# Altium PCB PCB1.PcbDoc (continued)
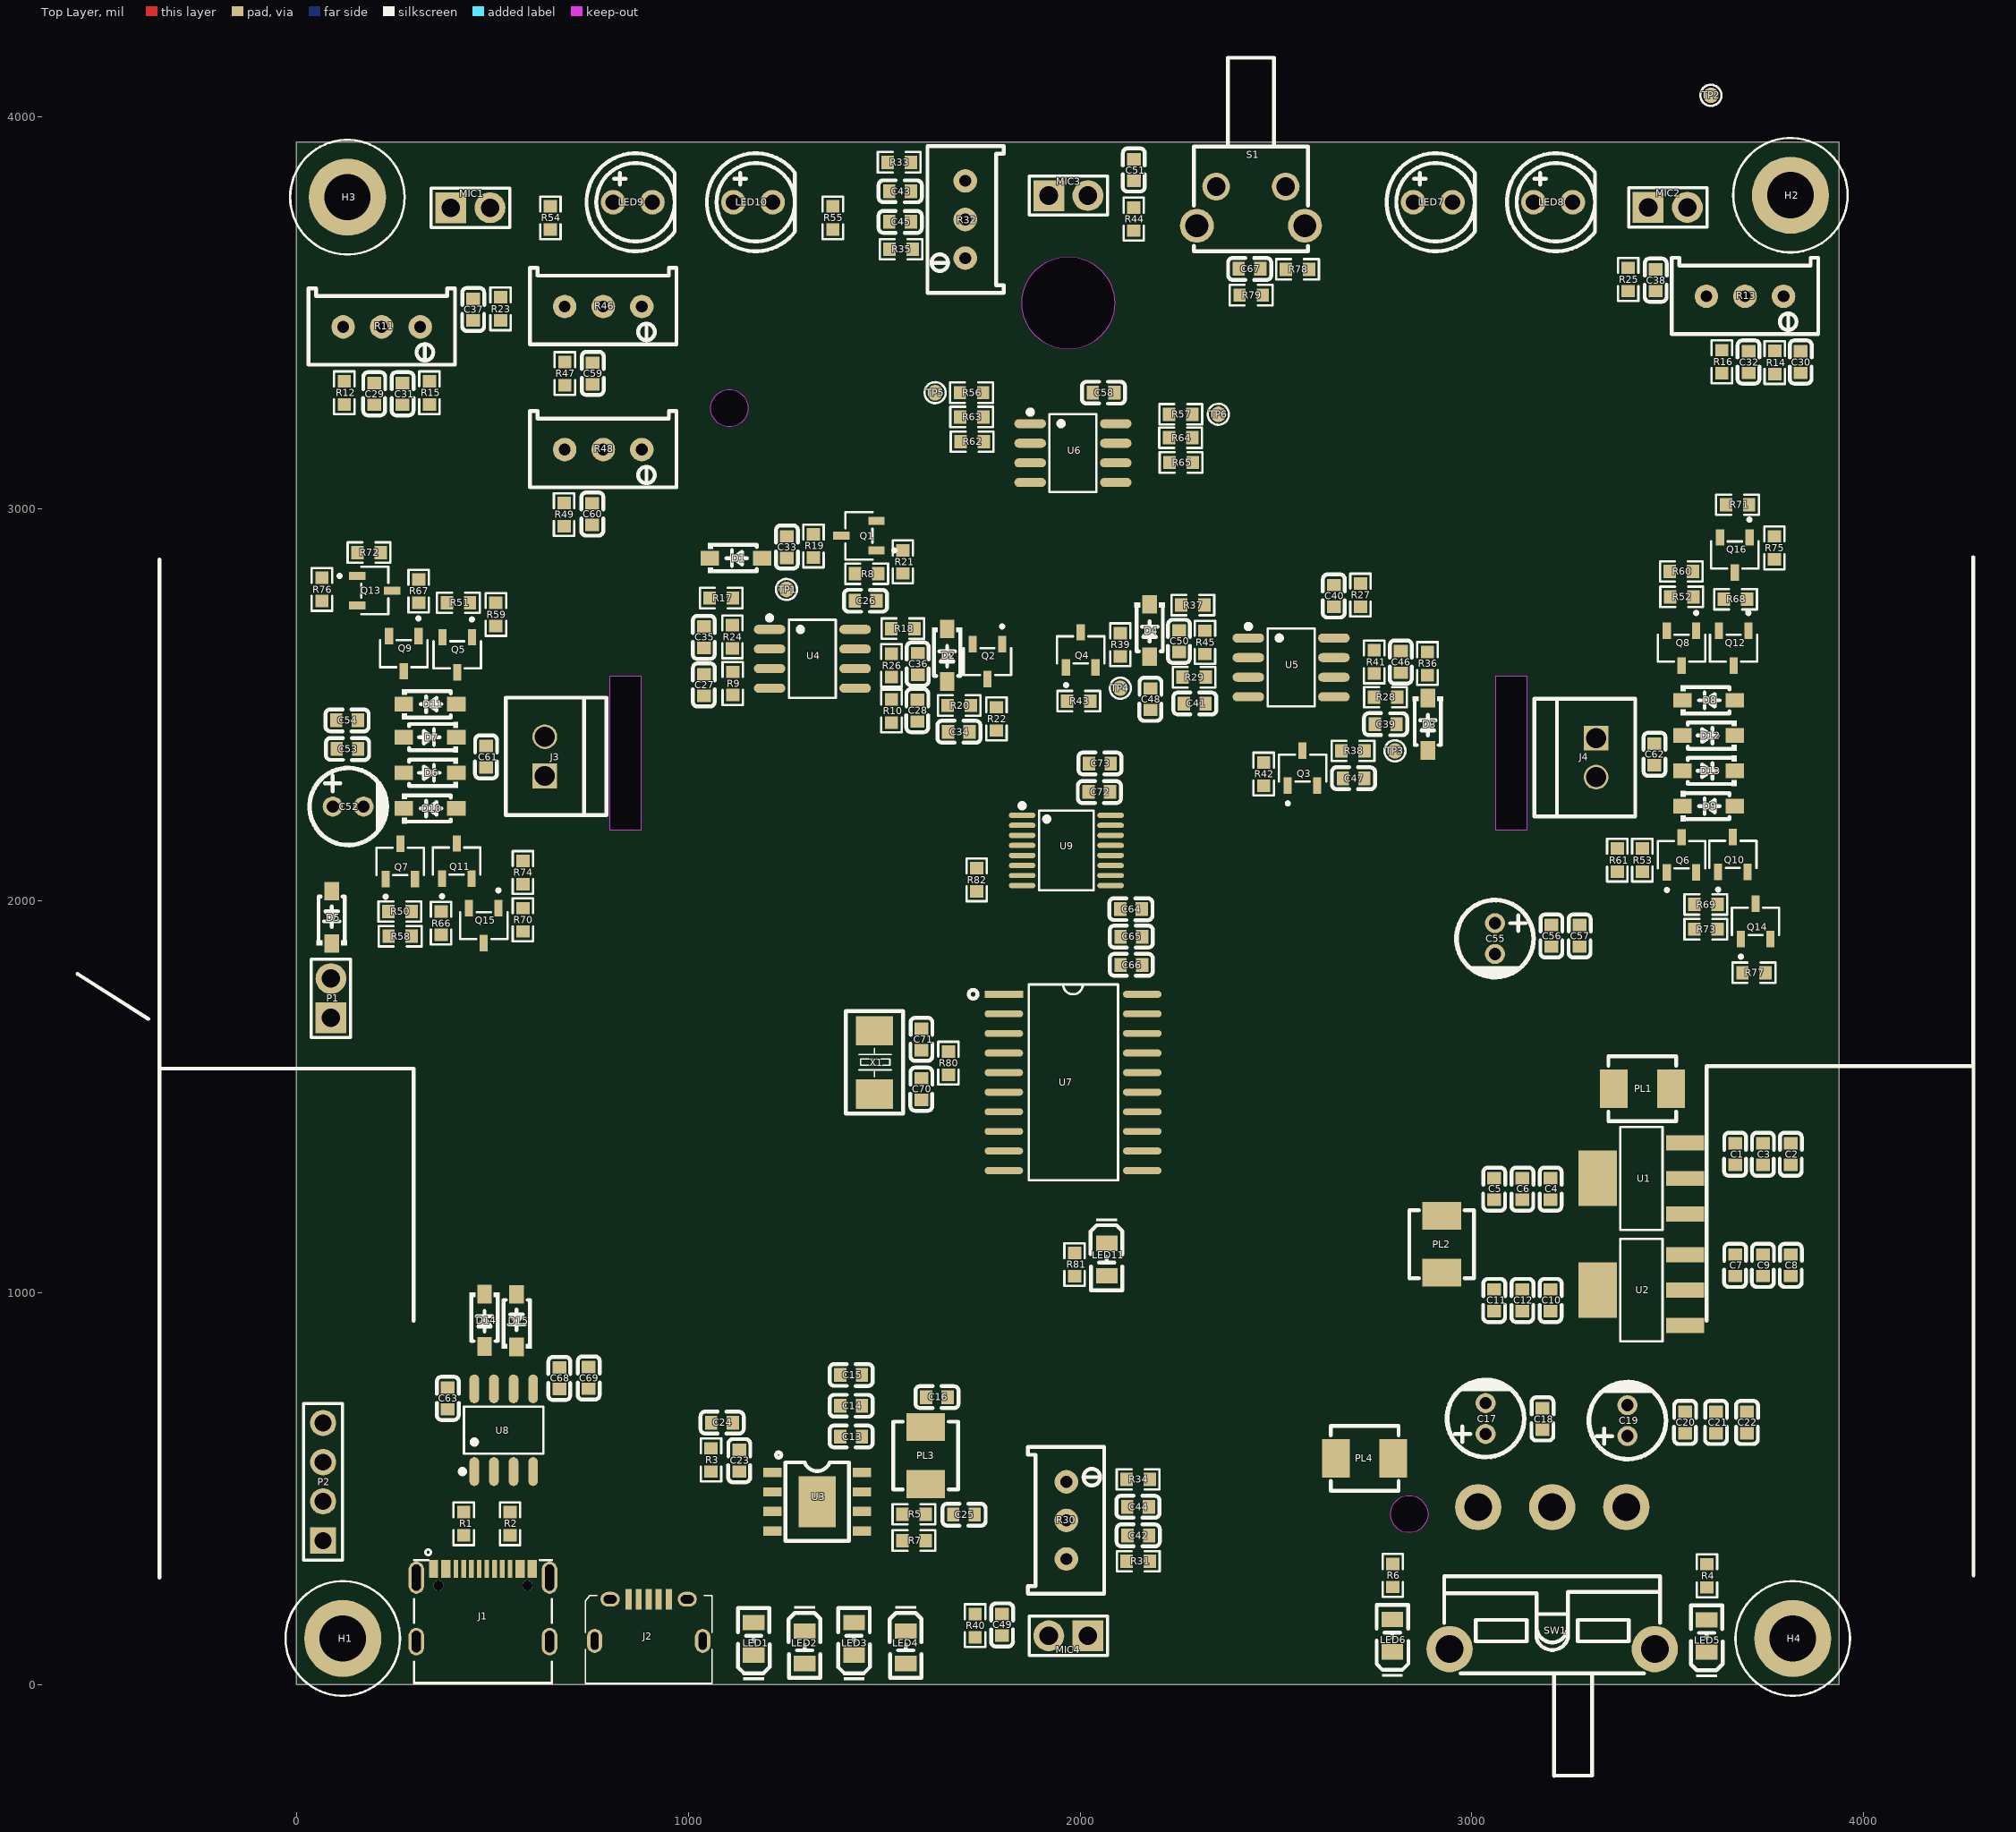
[diagram p0: Top Layer view]
## Components (designator, comment, footprint, x,y, rotation, side; value= is the part's Value field where it differs from the comment) (continued)
R2 "5.1K" RES-SMD-0603 545,410.66 r90 top
R3 "2R" RES-SMD-0603 1058,573.66 r270 top
R4 "1K" RES-SMD-0603 3600,278 r90 top
R5 "0.5R" RES-SMD-0603 1576,435 r180 top
R6 "1K" RES-SMD-0603 2798,279 r90 top
R7 "0805_0R_NC" RES-SMD-0603 1576,368 r180 top
R8 "10R" RES-SMD-0603 1455.6,2834.98 r0 top
R9 "100K" RES-SMD-0603 1113.6,2554.98 r270 top
R10 "100K" RES-SMD-0603 1518.6,2484.98 r270 top
R11 "100K" RES-TH-ADJ-3396W 217.6,3465 r270 top
R12 "10K" RES-SMD-0603 122,3296.8 r270 top
R13 "100K" RES-TH-ADJ-3396W 3697,3543 r270 top
R14 "10K" RES-SMD-0603 3773,3374 r270 top
R15 "1K" RES-SMD-0603 339.23,3296.8 r90 top
R16 "1K" RES-SMD-0603 3638,3376 r90 top
R17 "100R" RES-SMD-0603 1083.94,2772.98 r180 top
R18 "100R" RES-SMD-0603 1547.6,2694.98 r0 top
R19 "100R" RES-SMD-0603 1319.6,2905.63 r270 top
R20 "100R" RES-SMD-0603 1691.6,2498.98 r180 top
R21 "10K" RES-SMD-0603 1547.6,2865.32 r90 top
R22 "10K" RES-SMD-0603 1786.6,2464.63 r90 top
R23 "1K" RES-SMD-0603 521,3511 r90 top
R24 "100K" RES-SMD-0603 1112.6,2673.98 r90 top
R25 "1K" RES-SMD-0603 3399,3586 r90 top
R26 "100K" RES-SMD-0603 1518.6,2600.98 r90 top
R27 "10R" RES-SMD-0603 2715.6,2780.63 r90 top
R28 "100K" RES-SMD-0603 2779.6,2519.98 r0 top
R29 "100K" RES-SMD-0603 2290.94,2570.98 r180 top
R30 "100K" RES-TH-ADJ-3396W 1965,419.4 r0 top
R31 "10K" RES-SMD-0603 2148.65,315 r0 top
R32 "100K" RES-TH-ADJ-3396W 1707,3739 r180 top
R33 "10K" RES-SMD-0603 1538.36,3885 r180 top
R34 "1K" RES-SMD-0603 2148,524 r180 top
R35 "1K" RES-SMD-0603 1543,3663 r0 top
R36 "100R" RES-SMD-0603 2886.6,2605.98 r270 top
R37 "100R" RES-SMD-0603 2287.94,2754.98 r180 top
R38 "100R" RES-SMD-0603 2696.6,2382.98 r0 top
R39 "100R" RES-SMD-0603 2102.6,2653.98 r270 top
R40 "1K" RES-SMD-0603 1732,151 r270 top
R41 "100K" RES-SMD-0603 2750.6,2609.98 r90 top
R42 "10K" RES-SMD-0603 2468.6,2323.98 r270 top
R43 "10K" RES-SMD-0603 1996.6,2509.98 r180 top
R44 "1K" RES-SMD-0603 2137,3740 r270 top
R45 "100K" RES-SMD-0603 2318.6,2659.98 r90 top
R46 "10K" RES-TH-ADJ-3396W 783,3517 r270 top
R47 "1K" RES-SMD-0603 685,3346 r270 top
R48 "10K" RES-TH-ADJ-3396W 783,3152 r270 top
R49 "1K" RES-SMD-0603 683,2986 r270 top
R50 "10k" RES-SMD-0603 264,1973 r0 top
R51 "10k" RES-SMD-0603 413.35,2761 r180 top
R52 "10k" RES-SMD-0603 3535.35,2776 r180 top
R53 "10k" RES-SMD-0603 3435,2104 r90 top
R54 "1K" RES-SMD-0603 648,3743 r270 top
R55 "1K" RES-SMD-0603 1369,3743 r270 top
R56 "10R" RES-SMD-0603 1723,3297 r0 top
R57 "10R" RES-SMD-0603 2257,3242 r180 top
R58 "3.3K" RES-SMD-0603 264.65,1910 r180 top
R59 "3.3K" RES-SMD-0603 509,2731 r270 top
R60 "3.3K" RES-SMD-0603 3534.65,2841 r0 top
R61 "3.3K" RES-SMD-0603 3371,2104 r90 top
R62 "10K" RES-SMD-0603 1724.35,3172 r0 top
R63 "10K" RES-SMD-0603 1723.35,3235 r0 top
R64 "10K" RES-SMD-0603 2256.65,3182 r180 top
R65 "10K" RES-SMD-0603 2257.65,3119 r180 top
R66 "10k" RES-SMD-0603 369,1943.34 r90 top
R67 "10k" RES-SMD-0603 312,2790.66 r90 top
R68 "10k" RES-SMD-0603 3673,2770 r180 top
R69 "10k" RES-SMD-0603 3597,1991 r180 top
R70 "3.3K" RES-SMD-0603 578,1952 r270 top
R71 "3.3K" RES-SMD-0603 3678,3011 r180 top
R72 "3.3K" RES-SMD-0603 185,2889 r0 top
R73 "3.3K" RES-SMD-0603 3597,1928 r180 top
R74 "10k" RES-SMD-0603 578,2072.66 r270 top
R75 "10k" RES-SMD-0603 3772,2901 r90 top
R76 "10k" RES-SMD-0603 65,2795 r90 top
R77 "10k" RES-SMD-0603 3720,1817 r180 top
R78 "10R" RES-SMD-0603 2555,3612 r0 top
R79 "10K" RES-SMD-0603 2436.65,3546 r0 top
R80 "1K" RES-SMD-0603 1664,1586.34 r90 top
R81 "1K" RES-SMD-0603 1986,1072 r270 top
R82 "0805_0R_NC" RES-SMD-0603 1736,2054 r90 top
S1 "KEY-B-2P" KEY-TH-B-2P 2436,3773 r180 top
SW1 "SS-12D11G5" SW-TH-D-P4.8 3205,272 r0 top
TP1 "TP" TP 1250.6,2794.98 r90 top
TP2 "TP" TP 3609.87,4055.87 r90 top
TP3 "TP" TP 2803.6,2382.98 r90 top
TP4 "TP" TP 2102.6,2542.98 r90 top
TP5 "TP" TP 1630,3297 r90 top
TP6 "TP" TP 2353,3242 r90 top
U1 "AMS1117-1.2" SOT-223-4-LP5.7-P2.3 3432.6,1292 r0 top
U2 "AMS1117-3.3" SOT-223-4-LP5.7-P2.3 3432.6,1007 r0 top
U3 "IP5306" ESOP-8-LP5.3-P1.27 1329,467 r270 top
U4 "LMV358" SOIC-8-LP5.5-P1.27 1316.6,2617.98 r270 top
U5 "LMV358" SOIC-8-LP5.5-P1.27 2538.6,2595.98 r270 top
U6 "LMV358" SOIC-8-LP5.5-P1.27 1981.8,3143 r270 top
U7 "STC12C5204AD-35I-SOP20" SOP-20 1982,1537 r270 top
U8 "CH340N" SOP-8-LP5.3-P1.27 529,649.6 r0 top
U9 "74HC4051PW,118" TSSOP-16-LP5.7-P0.65 1965,2129 r270 top
X1 "11.0592M" OSC-5032-SMD-2P 1475,1588 r90 top

## Footprints (in the part's own frame and the unit in brackets; to place one, negate y for a bottom-side part, rotate by r counter-clockwise, add the part's x,y. Pads: shape width x height; smd on the part's side, far side on the other; paste and mask are expansions set on the pad)
BAT-SMD-18650 [mil] "BATTERY-SMD_18650-1S-L77.1-W20.7-1"
  rect 300x200 smd mask+2: 1(0,1626.5) 2(0,-1626.5)
  Keep-Out Layer board cut-out: 362.2,1411.02 362.2,1417.24 358.98,1429.26 352.76,1440.03 343.97,1448.82 333.2,1455.04 321.18,1458.26 308.74,1458.26 296.72,1455.04 285.95,1448.82 277.16,1440.03 270.94,1429.26 267.72,1417.24 267.72,1411.02 267.72,1404.8 270.94,1392.78 277.16,1382.01 285.95,1373.22 296.72,1367 308.74,1363.78 321.18,1363.78 333.2,1367 343.97,1373.22 352.76,1382.01 358.98,1392.78 362.2,1404.8 362.2,1411.02
  silkscreen extent -408,-1518 408,1518, body extent -401,-1702 412,1686, height 724
CAP-SMD-0603 [mm] "贴片电容0603"
  rect 0.8x0.9 smd: 1(-0.7,0) 2(0.7,0)
  silkscreen extent -1.41,-0.71 1.39,0.72, body extent -0.8,-0.4 0.8,0.4, height 0.8
CAPA-TH-5020-P2.0 [mm] "插件电解电容CAP-TH_BD5.0-P2.00-D0.8-FD"
  round 1.3 hole 0.8: 1(-1,0) 2(1,0)
  silkscreen extent -2.5,-2.5 2.5,2.5, body extent -2.5,-2.5 2.5,2.5, height 5
CONN-TH-1X2P-P2.54 [mil] "HDR-TH_2P-P2.54-V-M"
  rect 78.7x78.7 hole 47.2 mask+2: 1(-50,0)
  round 78.7 hole 47.2 mask+2: 2(50,0)
  silkscreen extent -100,-50 100,50, body extent -100,-50 100,50, height 335
CONN-TH-1X2P-P2.54_2 [mil]
  rect 78.7x78.7 hole 47.2 mask+2: 1(-51,-36)
  round 78.7 hole 47.2 mask+2: 2(49,-36)
  silkscreen extent -101,-86 99,14, body extent -118,-118 118,118, height 113
CONN-TH-1X4P-P2.54 [mil] "HDR-TH_4P-P2.54-V-M-1"
  rect 66.9x66.9 hole 43.3 mask+2: 1(-150,0)
  round 66.9 hole 43.3 mask+2: 2(-50,0) 3(50,0) 4(150,0)
  silkscreen extent -200,-50 200,50, body extent -200,-50 200,50, height 336
CONN-TH-CDS-1X2P-P2.54 [mil] "CONN-TH_2P-P2.54_CDS-2P"
  rect 63x63 hole 51.2 mask+2: 1(-50,0)
  round 63 hole 51.2 mask+2: 2(50,0)
  silkscreen extent -150,-158 150,100, body extent -150,-165 150,110, height 470
ESOP-8-LP5.3-P1.27 [mm] "ESOP-8_L4.9-W3.9-P1.27-LS6.0-BL-EP"
  rect 0.6x1.2 smd mask+0.051: 1(-1.905,-2.908) 2(-0.635,-2.908) 3(0.635,-2.908) 4(1.905,-2.908) 5(1.905,2.908) 6(0.635,2.908) 7(-0.635,2.908) 8(-1.905,2.908)
  rect 3.3x2.4 smd mask+0.051: 9(0,0)
  silkscreen extent -3.2,-2.67 2.55,2.05, body extent -2.45,-3.05 2.45,3.05, height 1.68
KEY-TH-B-2P [mil] "KEY-TH_PTS645VXX83XLFS"
  round 70.9 hole 47.2 mask+2: 1(-88.6,-50) 2(88.6,-50)
  round 86.6 hole 59.1 mask+2: 3(-137.8,50) 4(137.8,50)
  silkscreen extent -146,-379 146,115, body extent -165,-373 165,113, height 290
LED-SMD-0805 [mm] "贴片LED灯0805"
  rect 1x1.4 smd: 1(1.05,0) 2(-1.05,0)
  silkscreen extent -2.66,-1.04 1.99,1.01, body extent -1,-0.63 1,0.63, height 1.1
LED-TH-D5.0-P2.54 [mm] "插件LED灯D5.0-LED-TH_BD5.0-P2.54-FD"
  round 1.6 hole 1: 1(-1.27,0) 2(1.27,0)
  silkscreen extent -2.99,-3.17 2.72,3.17, body extent -2.5,-2.9 2.9,2.9, height 11.6
M3-5030-0.3 [mm]
  round 5 hole 3: 1(0,0)
  silkscreen extent -3.71,-3.71 3.71,3.71
MICROUSB-SMD-5P [mm] "MICRO-USB-5pin"
  rect 0.399x1.351 smd mask+0.051: 1(-1.3,1.35) 2(-0.65,1.35) 3(0,1.35) 4(0.65,1.35) 5(1.3,1.35)
  oval 1.001x1.549 hole 0.5 slot 1.151 at 90 deg mask+0.051: 6(-3.5,-1.35) 6(3.5,-1.35)
  oval 1.25x0.95 hole 0.551 slot 0.851 at 0 deg mask+0.051: 6(-2.499,1.35) 6(2.499,1.35)
  silkscreen extent -4.1,-4.1 4.1,1.6, body extent -4,-3.89 4,1.64, height 2.73
OSC-5032-SMD-2P [mm] "OSC-SMD_L5.0-W3.2"
  rect 1.9x2.4 smd mask+0.051: 1(-2.05,0) 2(2.05,0)
  silkscreen extent -3.32,-1.85 3.33,1.85, body extent -2.5,-1.6 2.5,1.6, height 1.42
PL-SMD_4.4X4.2-P3.7 [mil] "IND-SMD_L4.4-W4.2_YXMAA0412"
  rect 70.9x98.4 smd mask+2: 1(-72.8,0) 2(72.8,0)
  silkscreen extent -87,-83 87,83, body extent -87,-83 87,83, height 48
RES-SMD-0603 [mil] "贴片电阻0603"
  rect 31.75x34.02 smd: 1(-29.65,0) 2(29.66,0)
  silkscreen extent -55,-26 55,26, body extent -31,-16 31,16, height 31
RES-TH-ADJ-3396W [mil] "RES-ADJ-TH_3P-L10.0-W10.0-P2.50-BL-BS"
  round 60 hole 30 mask+2: 1(0,98.4) 2(0,0) 3(0,-98.4)
  silkscreen extent -98,-187 97,187, body extent -94,-187 96,187, height 454
SOD-123-P3.4 [mil] "SOD-123_L2.7-W1.6-LS3.7-RD-1"
  rect 47.2x37.4 smd mask+2: 1(-66.9,0) 2(66.9,0)
  silkscreen extent -71,-38 53,38, body extent -73,-31 73,31, height 47
SOIC-8-LP5.5-P1.27 [mil] "SOIC-8_L4.9-W3.9-P1.27-LS6.0-BL"
  oval 23.2x80.5 smd mask+2: 1(-75,-109.1) 2(-25,-109.1) 3(25,-109.1) 4(75,-109.1) 5(75,109.2) 6(25,109.2) 7(-25,109.2) 8(-75,109.2)
  silkscreen extent -110,-115 100,60, body extent -95,-118 95,118, height 67
SOP-8-LP5.3-P1.27 [mil] "SOP-8_L4.9-W3.9-P1.27-LS6.0-BL"
  oval 24.8x73.4 smd mask+2: 1(-75,-105.6) 2(-25,-105.6) 3(25,-105.6) 4(75,-105.6) 5(75,105.6) 6(25,105.6) 7(-25,105.6) 8(-75,105.6)
  silkscreen extent -111,-111 101,60, body extent -96,-118 96,118, height 58
SOP-20 [mm]
  rect 0.456x2.5 smd: 1(-5.715,-4.487)
  oval 0.456x2.5 smd: 2(-4.445,-4.487) 3(-3.175,-4.487) 4(-1.905,-4.487) 5(-0.635,-4.487) 6(0.635,-4.487) 7(1.905,-4.487) 8(3.175,-4.487) 9(4.445,-4.487) 10(5.715,-4.487) 11(5.715,4.488) 12(4.445,4.488) 13(3.175,4.488) 14(1.905,4.488) 15(0.635,4.488) 16(-0.635,4.488) 17(-1.905,4.488) 18(-3.175,4.488) 19(-4.445,4.488) 20(-5.715,4.488)
  silkscreen extent -6.35,-6.76 6.35,2.92
SOT-23-3-LP2.28-P1.91 [mm] "SOT-23-3_L2.9-W1.4-P1.91-LS2.6-BR"
  rect 1.07x0.532 smd: 1(1.135,-0.955) 2(1.135,0.955) 3(-1.135,0)
  silkscreen extent -0.88,-1.54 2.39,1.54, body extent -1.4,-1.54 1.4,1.54, height 1.11
SOT-223-4-LP5.7-P2.3 [mil] "SOT-223-4_L6.5-W3.5-P2.30-LS7.0-BR"
  rect 97.2x38.6 smd mask+2: 1(111.6,-90.5) 2(111.6,0) 3(111.6,90.6)
  rect 97.2x141.7 smd mask+2: 4(-111.6,0)
  silkscreen extent -54,-131 54,131, body extent -138,-128 138,128, height 67
SW-TH-D-P4.8 [mil] "SW-TH_SS-12D11G5"
  round 118.1 hole 70.9 mask+2: 1(189,181.1) 2(0,181.1) 3(-189,181.1) 4(-261.8,-181.1) 5(261.8,-181.1)
  silkscreen extent -276,-504 276,5, body extent -266,-440 266,208, height 260
TP [mil] "TP测试点"
  round 40 smd: 1(0,0)
  silkscreen extent -27,-27 27,27
TSSOP-16-LP5.7-P0.65 [mil] "TSSOP-16_L5.0-W4.4-P0.65-LS6.4-BL"
  oval 13.5x68.2 smd mask+2: 1(-89.6,-112.8) 2(-64,-112.8) 3(-38.4,-112.8) 4(-12.8,-112.8) 5(12.8,-112.8) 6(38.4,-112.8) 7(64,-112.8) 8(89.6,-112.8) 9(89.6,112.8) 10(64,112.8) 11(38.4,112.8) 12(12.8,112.8) 13(-12.8,112.8) 14(-38.4,112.8) 15(-64,112.8) 16(-89.6,112.8)
  silkscreen extent -120,-119 101,70, body extent -98,-130 98,122, height 40
TYPE-C-SMD-16P [mm]
  oval 1x2.1 hole 0.6 slot 1.7 at 90 deg: 17(-4.32,1.787) 18(4.32,1.787)
  oval 1x1.8 hole 0.6 slot 1.4 at 90 deg: 19(4.32,-2.362) 20(-4.32,-2.362)
  round 0.65 hole 0.65 unplated: 21(2.89,1.288) 22(-2.89,1.288)
  rect 0.3x1.15 smd: A1(-3.35,2.362) A4(-2.55,2.362) A5(-1.25,2.362) A6(-0.25,2.362) A7(0.25,2.362) A8(1.25,2.362) A9(2.55,2.362) A12(3.35,2.362) B1(3.05,2.362) B4(2.25,2.362) B5(1.75,2.362) B6(0.75,2.362) B7(-0.75,2.362) B8(-1.75,2.362) B9(-2.25,2.362) B12(-3.05,2.362)
  silkscreen extent -4.47,-5.04 4.47,3.61

## Part data
BT1 BT2: library part CR2032, "纽扣电池CR2032-BS-6-1", JLCPCB Part Class="Extended Part", LCSC Part Name="电池底座 适用电池:CR2032", MANUFACTURER=Q&J, Manufacturer Part=CR2032-BS-6-1, Operating Temperature Range=-, Add into BOM=yes, Battery Type=CR2032, Connector Type=电池底座, Convert to PCB=yes, DATASHEET=https://atta.szlcsc.com/upload/public/pdf/source/20160427/1461725216549.pdf, Device=CR2032-BS-6-1, Supplier=LCSC, Supplier Footprint=SMD, Supplier Part=C70377, Symbol=CR2032-BS-6-1
C1 C2 C3 C4 C5 C6 C7 C8 C9 C10 C11 C12 C13 C14 C15 C16 C18 C20 C21 C22 C23 C24 C25 C26 C27 C28 C29 C30 C31 C32 C33 C34 C35 C36 C37 C38 C39 C40 C41 C42 C43 C44 C45 C46 C47 C48 C49 C50 C51 C53 C54 C56 C57 C58 C59 C60 C61 C62 C63 C64 C65 C66 C67 C68 C69 C70 C71 C72 C73: library part CAP, "贴片电容", BOM_JLCPCB Part Class="Extended Part", BOM_Manufacturer=SAMSUNG, BOM_Manufacturer Part=CL03A104KQ3NNNC, BOM_Supplier=LCSC, BOM_Supplier Part=C160831, Contributor=LCSC, nameAlias=Capacitance, spicePre=C, spiceSymbolName=CL03A104KQ3NNNC
C17 C19 C52 C55: library part CAPA, "电解电容", BOM_JLCPCB Part Class="Extended Part", BOM_Manufacturer=ValuePro, BOM_Manufacturer Part="普通黑色470UF 50V", BOM_Supplier=LCSC, BOM_Supplier Part=C34642, nameAlias=Capacitance, spicePre=C, spiceSymbolName="470UF 50V"
D1 D2 D3 D4 D5 D6 D7 D8 D9 D10 D11 D12 D13 D14 D15: library part Diode, "二极管1N4148W", Average Rectified Current (Io)=150mA, Forward Voltage (Vf@If)=1.25V@150mA, JLCPCB Part Class="Extended Part", LCSC Part Name="100V 150mA 4ns", MANUFACTURER=PSI(宝力芯), Manufacturer Part=1N4148W, Operating Temperature=+150@(Tj), Power Dissipation=350mW, Reverse Leakage Current=1A@75V, Reverse Voltage (Vr)=100V, Add into BOM=yes, Convert to PCB=yes, DATASHEET=https://atta.szlcsc.com/upload/public/pdf/source/20210709/C2840890_3AF002B6505A4091F26B54E36362ABEF.pdf, Device=1N4148W, Diode Configuration=-, Reverse Recovery Time (trr)=4ns, Supplier=LCSC, Supplier Footprint=SOD-123, Supplier Part=C2840890, Symbol=1N4148W_C2840890
H1 H2 H3 H4: "M3螺丝孔"
J1: "TYPE-C-16pin", Current Rating - Power (Max)=3A, JLCPCB Part Class="Extended Part", LCSC Part Name="Type-C 母座 卧贴", MANUFACTURER=kinghelm(金航标), Manufacturer Part=KH-TYPE-C-16P, Operating Temperature Range=-40~+85, Add into BOM=yes, Connector Type=Type-C, Convert to PCB=yes, DATASHEET=https://atta.szlcsc.com/upload/public/pdf/source/20200911/C709357_AA8DCEB38BB20E3035A7ED7AE7667837.pdf, Device=KH-TYPE-C-16P, Gender=母座, Mounting Style=卧贴, Number of Contacts=16, Number of Ports=1, Standard=-, Supplier=LCSC, Supplier Footprint=SMD, Supplier Part=C709357, Symbol=KH-TYPE-C-16P
J2: library part Microusb-5P, "安卓阶梯型USB接口", JLCPCB Part Class="Extended Part", LCSC Part Name="Micro-B 母座", MANUFACTURER=Amphenol, Manufacturer Part=10118194-0001LF, Add into BOM=yes, Connector Type=Micro-B, Convert to PCB=yes, DATASHEET=https://atta.szlcsc.com/upload/public/pdf/source/20210630/C132563_323781699BE9D7BFAD8DF70EA5820798.pdf, Device=10118194-0001LF, Gender=母座, Number of Contacts=5, Number of Ports=1, Standard="USB 2.0", Supplier=LCSC, Supplier Footprint=SMD, Supplier Part=C132563, Symbol=10118194-0001LF
J3 J4: "连接插座2pin", Color=蓝色, Current Rating (Max)=17A, JLCPCB Part Class="Extended Part", LCSC Part Name="5mm 排数:1 每排P数:2 直针 可拼接 铜 环保", MANUFACTURER=KEFA(科发), Manufacturer Part=KF301-5.0-2P, Operating Temperature Range=-30~+120, Voltage Rating (Max)=250V, Add into BOM=yes, Convert to PCB=yes, DATASHEET=https://atta.szlcsc.com/upload/public/pdf/source/20200115/C474881_883EFE2003339C40FD1BEEEFC9A18423.pdf, Device=KF301-5.0-2P, Mounting Style=直针, Number of PINs Per Row=2, Number of Rows=1, Pitch=5mm, Supplier=LCSC, Supplier Footprint=P=5mm, Supplier Part=C474881, Symbol=KF301-5.0-2P, Wire Gauge - AWG=14~22, Wire Gauge - mm?=1.5
LED1 LED2 LED3 LED4: library part LED, "LED灯,发光二极管", BOM_Manufacturer=yongyu(永裕光电), BOM_Manufacturer Part=SZYY0402B, BOM_Supplier=LCSC, BOM_Supplier Part=C434447, Contributor=LCSC, spicePre=L, spiceSymbolName=SZYY0402B
LED5 LED6 LED7 LED8 LED9 LED10 LED11: "LED灯,发光二极管", BOM_Manufacturer=yongyu(永裕光电), BOM_Manufacturer Part=SZYY0402B, BOM_Supplier=LCSC, BOM_Supplier Part=C434447, Contributor=LCSC, spicePre=L, spiceSymbolName=SZYY0402B
MIC1 MIC2 MIC3 MIC4: "咪头MIC COND ANALOG OMNI -38DB"
P1: "排针1*2pin", Color=黑色, Current Rating (Max)=3A, JLCPCB Part Class="Extended Part", LCSC Part Name="2.54mm 1x2P", MANUFACTURER=kinghelm(金航标), Manufacturer Part=KH-2.54PH180-1X2P-L11.5, Operating Temperature Range=-40~+105, Voltage Rating (Max)=-, Add into BOM=yes, Circluar Pins/Square Pins=方针, Contact Material=-, Convert to PCB=yes, DATASHEET=https://atta.szlcsc.com/upload/public/pdf/source/20211019/75EAF9E0823F75B5BB441C07BAE9F5E6.pdf, Device=KH-2.54PH180-1X2P-L11.5, Insulation Height=2.5mm, Length of End Connection Pin=3mm, Length of Mating Pin=6mm, Mounting Type=直插, Number of Pins=2, Number of Rows=1, Pin Structure=1x2P, Pitch=2.54mm, Row Spacing=-, Supplier=LCSC, Supplier Footprint=插件,P=2.54mm, Supplier Part=C2905434, Symbol=KH-2.54PH180-1X2P-L11.5
P2: "排针1*4pin", Color=黑色, Current Rating (Max)=3A, JLCPCB Part Class="Extended Part", LCSC Part Name="2.54mm 1x4P", MANUFACTURER=Wcon(维峰电子), Manufacturer Part=1125-1104G0S116C001, Operating Temperature Range=-40~+105, Voltage Rating (Max)=320V, Add into BOM=yes, Circluar Pins/Square Pins=方针, Contact Material=黄铜, Contact Plating=金, Convert to PCB=yes, DATASHEET=https://atta.szlcsc.com/upload/public/pdf/source/20210514/C920781_63E6ED3EFA6284A9B57E07350A5F58E4.pdf, Device=1125-1104G0S116C001, Insulation Height=2.5mm, Length of End Connection Pin=3mm, Length of Mating Pin=6.1mm, Mounting Type=直插, Number of Pins=4, Number of Rows=1, Pin Structure=1x4P, Pitch=2.54mm, Row Spacing=2.54mm, Supplier=LCSC, Supplier Footprint=插件,P=2.54mm, Supplier Part=C920779, Symbol=1125-1104G0S116C001
PL1 PL2 PL3 PL4: library part PL-IND, "电感", Current Rating=300mA, DC Resistance=200mΩ, Impedance @ Frequency=120Ω@100MHz, JLCPCB Part Class="Extended Part", LCSC Part Name="120Ω@100MHz ±25%", MANUFACTURER=Sunlord(顺络), Manufacturer Part=GZ1608D121TF, TOLERANCE=±25%, Add into BOM=yes, Circuits=1, Convert to PCB=yes, DATASHEET=https://atta.szlcsc.com/upload/public/pdf/source/20210830/355EA7C0FAC5394FC0FE3F17C770C20A.pdf, Device=GZ1608D121TF, Supplier=LCSC, Supplier Footprint=0603, Supplier Part=C12391, Symbol=GZ1608D121TF-C12391
Q1 Q2 Q3 Q4 Q9 Q10 Q11 Q12 Q13 Q14 Q15 Q16: library part NPN-SOT-23-3, "贴片NPN三极管", BOM_JLCPCB Part Class="Extended Part", BOM_Manufacturer=YFW佑风微, BOM_Manufacturer Part=S9013, BOM_Supplier=LCSC, BOM_Supplier Part=C2898668, Contributor=LCSC, spicePre=Q, spiceSymbolName=S9013_C2898668
Q5 Q6 Q7 Q8: library part PNP-SOT-23-3, "贴片PNP三极管", BOM_JLCPCB Part Class="Extended Part", BOM_Manufacturer=YONGYUTAI(永裕泰), BOM_Manufacturer Part=S9012, BOM_Supplier=LCSC, BOM_Supplier Part=C2891799, Contributor=LCSC, spicePre=Q, spiceSymbolName=S9012_C2891799
R1 R2 R3 R4 R5 R6 R7 R8 R12 R14 R15 R16 R17 R18 R19 R20 R21 R22 R23 R25 R27 R31 R33 R34 R35 R36 R37 R38 R39 R40 R42 R43 R44 R47 R49 R50 R51 R52 R53 R54 R55 R56 R57 R58 R59 R60 R61 R62 R63 R64 R65 R66 R67 R68 R69 R70 R71 R72 R73 R74 R75 R76 R77 R78 R79 R80 R81 R82: library part RES, "贴片电阻", BOM_JLCPCB Part Class="Extended Part", BOM_Manufacturer="Chengdu Guosheng Tech", BOM_Manufacturer Part=3362P-1-104, Resistance (Ohms)=100K, BOM_Supplier=LCSC, BOM_Supplier Part=C118966, Contributor=LCSC, nameAlias=Resistance, Resistance(Ohms)=100K, spicePre=R, spiceSymbolName=3362P-1-104_C118966
R9 R10 R24 R26 R28 R29 R41 R45: library part RES, "贴片电阻", BOM_JLCPCB Part Class="Extended Part", BOM_Manufacturer="Chengdu Guosheng Tech", BOM_Manufacturer Part=3362P-1-104, BOM_Supplier=LCSC, BOM_Supplier Part=C118966, Contributor=LCSC, nameAlias=Resistance, Resistance (Ohms)=100K, Resistance(Ohms)=100K, spicePre=R, spiceSymbolName=3362P-1-104_C118966
R11 R13 R30 R32: library part RES-ADJ, "可调电阻,电位器", BOM_JLCPCB Part Class="Extended Part", BOM_Manufacturer="Chengdu Guosheng Tech", BOM_Manufacturer Part=3362P-1-104, BOM_Supplier=LCSC, BOM_Supplier Part=C118966, Contributor=LCSC, nameAlias=Resistance, Resistance (Ohms)=100K, Resistance(Ohms)=100K, spicePre=R, spiceSymbolName=3362P-1-104_C118966
R46 R48: library part RES-ADJ, "可调电阻,电位器", BOM_JLCPCB Part Class="Extended Part", BOM_Manufacturer="Chengdu Guosheng Tech", BOM_Manufacturer Part=3362P-1-104, Resistance (Ohms)=100K, BOM_Supplier=LCSC, BOM_Supplier Part=C118966, Contributor=LCSC, nameAlias=Resistance, Resistance(Ohms)=100K, spicePre=R, spiceSymbolName=3362P-1-104_C118966
S1: "按键开关B", JLCPCB Part Class="Extended Part", LCSC Part Name=轻触开关, MANUFACTURER=C&K, Manufacturer Part=PTS645VL83LFS, Add into BOM=yes, Convert to PCB=yes, DATASHEET=https://atta.szlcsc.com/upload/public/pdf/source/20200930/C879394_D7DA174BB86F37E4F50AF53F8B4AE402.pdf, Device=PTS645VL83LFS, Supplier=LCSC, Supplier Footprint=插件, Supplier Part=C918856, Symbol=PTS645VL83LFS
SW1: library part SW-D-3P, "额定电流(DC)：3A 额定电压(DC)：125V 额定电流(AC)：3A 额定电压(AC)：125V", Actuator Color=黑色, Current Rating (AC)=3A, JLCPCB Part Class=扩展库, MANUFACTURER="XKB Connectivity(中国星坤)", Operating Temperature=-40~+85, Voltage Rating (AC)=125V, Actuator Style=矩形柱状, Add into BOM=yes, Circuit=单刀双掷, Convert to PCB=yes, Current Rating (DC)=3A, DATASHEET=https://atta.szlcsc.com/upload/public/pdf/source/20211009/84F89DEF741E27E9E55DE4039DC07CAD.pdf, Device=SS-12D11G5, LCSC Part Name=SS-12D11G5, Manufacturer Part=SS-12D11G5, Mechanical Life=10000, Mounting Style=弯插, Name=SS-12D11G5, Pin Style=PC引脚, Supplier=LCSC, Supplier Footprint=插件, Supplier Part=C692484, Switch Height=6.3mm, Switch Length=13.5mm, Switch Width=6.6mm, Symbol=SS-12D11G5, Voltage Rating (DC)=125V
TP1 TP2 TP3 TP4 TP5 TP6: "TP测试点"
U1: library part AMS1117-5.0, "稳压器芯片", BOM_JLCPCB Part Class="Extended Part", BOM_Manufacturer=JSMSEMI(杰盛微), BOM_Manufacturer Part=AMS1117-5.0, BOM_Supplier=LCSC, BOM_Supplier Part=C2718490, Contributor=LCSC, spicePre=U, spiceSymbolName=AMS1117-5.0_C2718490
U2: library part AMS1117-5.0_1, "稳压器芯片", BOM_JLCPCB Part Class="Extended Part", BOM_Manufacturer=JSMSEMI(杰盛微), BOM_Manufacturer Part=AMS1117-5.0, BOM_Supplier=LCSC, BOM_Supplier Part=C2718490, Contributor=LCSC, spicePre=U, spiceSymbolName=AMS1117-5.0_C2718490
U3: "充电电池的类型:-;电池单元组数:-;最大充电电流:-;充满的电池组电压:-;最大供应电压:-;", Battery Pack Voltage=-, JLCPCB Part Class=扩展库, MANUFACTURER=INJOINIC(英集芯), Add into BOM=yes, Battery Chemistry=-, Charge Current - Max=-, Convert to PCB=yes, DATASHEET=https://atta.szlcsc.com/upload/public/pdf/source/20180920/C181692_842C9BF636DF123BB66E91FC1AD6F13F.pdf, Device=IP5306, Interface=-, LCSC Part Name=IP5306, Manufacturer Part=IP5306, Name=IP5306, Number of Cells=-, Supplier=LCSC, Supplier Footprint=ESOP-8, Supplier Part=C181692, Symbol=IP5306, Voltage - Supply (Max)=-
U4 U5 U6: "运放IC OPAMP GP 2 CIRCUIT 8SOIC"
U7: "CPU内核:51系列;CPU最大主频:35MHz;工作电压范围:4V~5.5V;内部振荡器:有;外部时钟频率范围:-;程序 FLASH容量:4KB;RAM总容量:256Byte;EEPROM/数据 FLASH容量:1KB;GPIO端口数量:15;ADC(单元数/通道数/位数):1@x8ch/8bit;DAC(单元数/通道数/位数):-;(E)PWM(单元数/通道数/位数):-;8位Timer数量:-;16位Timer数量:2;32位Timer数量:-;内部比较器数量:-;U(S)ART路数:1;I2C路数", External Clock Frequency Rang=-, JLCPCB Part Class=扩展库, MANUFACTURER=STC(宏晶), Maximum Frequency=35MHz, Operating Temperature Range=-40~+85, Supply Voltage Range=4V~5.5V, 8Bit Timer Number=-, 16Bit Timer Number=2, 32Bit Timer Number=-, (E)PWM (Units/Channels/bits)=-, (Q)SPI Number=-, ADC (Units/Channels/bits)=1@x8ch/8bit, Add into BOM=yes, CAN Number=-, CMP Number=-, Convert to PCB=yes, CPU Core=51系列, DAC (Units/Channels/bits)=-, DATASHEET=https://atta.szlcsc.com/upload/public/pdf/source/20120808/1457706523764.pdf, Device=STC12C5204AD-35I-SOP20, EEPROM/Data FLASH Size=1KB, GPIO Ports Number=15, I2C Number=-, I2S Number=-, Internal Oscillator=有, LCSC Part Name=STC12C5204AD-35I-SOP20, Manufacturer Part=STC12C5204AD-35I-SOP20, Name=STC12C5204AD-35I-SOP20, Peripherals / Functions / Protocol Stacks=低电压检测；看门狗；CCP捕获/比较, Program FLASH Size=4KB, RAM Size=256Byte, Supplier=LCSC, Supplier Footprint=SOIC-20_300mil, Supplier Part=C8703, Symbol=STC12C5204AD-35I, U(S)ART Number=1, USB (H/D/OTG)=-
U8: JLCPCB Part Class=扩展库, MANUFACTURER=WCH(南京沁恒), Add into BOM=yes, Convert to PCB=yes, DATASHEET=https://atta.szlcsc.com/upload/public/pdf/source/20220223/82A45E4FF89B3EDCAD50B354450A7EF4.pdf, Device=CH340N, LCSC Part Name=CH340N, Manufacturer Part=CH340N, Name=CH340N, Supplier=LCSC, Supplier Footprint=SOP-8, Supplier Part=C2977777, Symbol=CH340N_C2977777
U9: "复用开关IC MUX/DEMUX 8X1", JLCPCB Part Class=扩展库, MANUFACTURER=Nexperia(安世), Add into BOM=yes, Convert to PCB=yes, DATASHEET=https://atta.szlcsc.com/upload/public/pdf/source/20120413/1457706470089.pdf, Device=74HC4051PW,118, LCSC Part Name=74HC4051PW,118, Manufacturer Part=74HC4051PW,118, Name=74HC4051PW,118, Supplier=LCSC, Supplier Footprint=TSSOP-16, Supplier Part=C5645, Symbol=74HC4051PW,118
X1: library part XTAL-2P-WY, "无源晶振2pin", Equivalent Series Resistance (ESR)=40Ω, Frequency Stability=±30ppm, Frequency Tolerance=±20ppm, JLCPCB Part Class="Extended Part", LCSC Part Name="16MHz ±20ppm 20pF", Load Capacitance=20pF, MANUFACTURER=YXC扬兴科技, Manufacturer Part=X49SM16MSD2SI, Operating Temperature=-40~+85, Add into BOM=yes, Convert to PCB=yes, Crystal Type=49SMD, DATASHEET=https://atta.szlcsc.com/upload/public/pdf/source/20210329/C106809_0E91E60850A780B284B63D653DC40EA4.pdf, Device=X49SM16MSD2SI, Supplier=LCSC, Supplier Footprint=HC-49S/SMD, Supplier Part=C90678, Symbol=X49SM16MSD2SI

## Nets (pads, with @x,y where several pads share a name; then routed paths per layer and width w, separated by ;. In a path a pad name is that pad's centre, name@x,y a point inside that pad or via, vN(x,y) a via of type N, cw(c..) or ccw(c..) an arc to the next point about the centre after c; other vN are vias at no path point)
1.2V: C10.2 C11.2 C12.2 C27.2 C28.2 C39.2 C41.2 PL2.2 R9.2 R10.2 R28.2 R29.2 U2.2 U2.4
3.3V: C4.2 C5.2 C6.2 C29.2 C30.2 C42.2 C43.2 C58.2 C59.2 C60.2 PL1.2 PL2.1 R8.2 R11.1 R11.2 R12.2 R13.1 R13.2 R14.2 R27.2 R30.1 R30.2 R31.2 R32.1 R32.2 R33.2 R46.1 R46.2 R47.2 R48.1 R48.2 R49.2 R54.2 R55.2 R62.1 R64.1 U1.2 U1.4 U6.8
5V: C1.2 C2.2 C3.2 C7.2 C8.2 C9.2 C19.1 C20.2 C21.2 C22.2 C64.2 C65.2 C66.2 C67.2 P1.1 P2.1 PL1.1 R4.2 R81.1 S1.2 SW1.1 U1.3 U2.3 U7.20
74HC_ADC: U7.14 U9.3
74HC_EN: U7.15 U9.6
D_N: J1.A7 J1.B7 J2.2 U8.2
D_P: J1.A6 J1.B6 J2.3 U8.1
GND: BT1.2 BT2.2 C1.1 C2.1 C3.1 C4.1 C5.1 C6.1 C7.1 C8.1 C9.1 C10.1 C11.1 C12.1 C13.2 C14.2 C15.2 C16.1 C17.2 C18.1 C19.2 C20.1 C21.1 C22.1 C23.1 C24.1 C25.1 C26.2 C33.1 C34.1 C37.1 C38.1 C40.2 C47.1 C48.1 C49.1 C51.1 C52.2 C53.1 C54.1 C55.2 C56.1 C57.1 C58.1 C63.2 C64.1 C65.1 C66.1 C68.2 C69.2 C70.1 C71.1 C72.2 C73.2 D10.1 D11.1 D12.1 D13.1 H1.1 H2.1 H3.1 H4.1 J1.17 J1.18 J1.19 J1.20 J1.A1 J1.A12 J1.B1 J1.B12 J2.5 J2.6 LED5.2 LED6.2 LED7.1 LED8.1 LED9.2 LED10.2 MIC1.2 MIC2.2 MIC3.2 MIC4.2 P2.4 Q1.2 Q2.2 Q3.2 Q4.2 Q9.2 Q10.2 Q11.2 Q12.2 Q13.2 Q14.2 Q15.2 Q16.2 R1.1 R2.2 R7.1 R63.1 R65.1 R74.1 R75.1 R76.1 R77.1 R79.1 R82.1 S1.3 S1.4 SW1.4 SW1.5 U1.1 U2.1 U3.9 U4.4 U5.4 U6.4 U7.10 U8.3 U9.8
MCU_RXD: D15.2 P2.2 U7.2
MCU_TXD: D14.1 P2.3 U7.3
Motor_5V: C52.1 C53.2 C54.2 C55.1 C56.2 C57.2 D5.2 D6.2 D7.2 D8.2 D9.2 Q5.2 Q6.2 Q7.2 Q8.2 R50.2 R51.2 R52.2 R53.2 R66.2 R67.2 R68.2 R69.2
Motor_L+: R58.1 R72.2 U7.8
Motor_L-: R59.2 R70.2 U7.12
Motor_R+: R60.1 R73.2 U7.9
Motor_R-: R61.2 R71.2 U7.13
NetC24_2: C24.2 R3.1
NetC25_2: C25.2 R5.1 U3.6
NetC26_1: C26.1 R8.1 U4.8
NetC27_1: C27.1 R9.1 R15.2 U4.3
NetC28_1: C28.1 R10.1 R16.2 U4.5
NetC29_1: C29.1 C31.1 MIC1.1 R11.3 R12.1
NetC30_1: C30.1 C32.1 MIC2.1 R13.3 R14.1
NetC31_2: C31.2 R15.1
NetC32_2: C32.2 R16.1
NetC35_1: C35.1 R23.2 R24.1 U4.2
NetC35_2: C35.2 R17.1 R24.2 U4.1
NetC36_1: C36.1 R25.2 R26.1 U4.6
NetC36_2: C36.2 R18.1 R26.2 U4.7
NetC37_2: C37.2 R23.1
NetC38_2: C38.2 R25.1
NetC39_1: C39.1 R28.1 R34.2 U5.5
NetC40_1: C40.1 R27.1 U5.8
NetC41_1: C41.1 R29.1 R35.2 U5.3
NetC42_1: C42.1 C44.1 MIC4.1 R30.3 R31.1
NetC43_1: C43.1 C45.1 MIC3.1 R32.3 R33.1
NetC44_2: C44.2 R34.1
NetC45_2: C45.2 R35.1
NetC46_1: C46.1 R40.2 R41.1 U5.6
NetC46_2: C46.2 R36.1 R41.2 U5.7
NetC49_2: C49.2 R40.1
NetC50_1: C50.1 R44.2 R45.1 U5.2
NetC50_2: C50.2 R37.1 R45.2 U5.1
NetC51_2: C51.2 R44.1
NetC59_1: C59.1 LED7.2 R46.3 R47.1 U6.3
NetC60_1: C60.1 LED8.2 R48.3 R49.1 U6.5
NetC61_1: C61.1 D6.1 D10.2 J3.1 Q7.3 Q11.3
NetC61_2: C61.2 D7.1 D11.2 J3.2 Q5.3 Q9.3
NetC62_1: C62.1 D8.1 D12.2 J4.1 Q8.3 Q12.3
NetC62_2: C62.2 D9.1 D13.2 J4.2 Q6.3 Q10.3
NetC63_1: C63.1 U8.8
NetC67_1: C67.1 R78.1 R79.2 S1.1
NetD1_1: D1.1 R17.2
NetD2_1: D2.1 R18.2
NetD3_1: D3.1 R36.2
NetD4_1: D4.1 R37.2
NetD5_1: D5.1 P1.2
NetD14_2: D14.2 U8.7
NetD15_1: D15.1 U8.6
NetJ1_A5: J1.A5 R1.2
NetJ1_B5: J1.B5 R2.1
NetLED1_1: LED1.1 LED2.2 U3.2
NetLED1_2: LED1.2 LED2.1 LED3.2 LED4.1 U3.4
NetLED3_1: LED3.1 LED4.2 U3.3
NetLED5_1: LED5.1 R4.1
NetLED6_1: LED6.1 R6.1
NetLED9_1: LED9.1 R54.1
NetLED10_1: LED10.1 R55.1
NetLED11_1: LED11.1 R81.2
NetPL3_1: PL3.1 U3.7
NetQ1_1: Q1.1 R21.2
NetQ1_3: Q1.3 R19.1
NetQ2_1: Q2.1 R22.2
NetQ2_3: Q2.3 R20.1
NetQ3_1: Q3.1 R42.2
NetQ3_3: Q3.3 R38.1
NetQ4_1: Q4.1 R43.2
NetQ4_3: Q4.3 R39.1
NetQ5_1: Q5.1 R51.1 R59.1
NetQ6_1: Q6.1 R53.1 R61.1
NetQ7_1: Q7.1 R50.1 R58.2
NetQ8_1: Q8.1 R52.1 R60.2
NetQ9_1: Q9.1 Q13.3 R67.1
NetQ10_1: Q10.1 Q14.3 R69.1
NetQ11_1: Q11.1 Q15.3 R66.1
NetQ12_1: Q12.1 Q16.3 R68.1
NetQ13_1: Q13.1 R72.1 R76.2
NetQ14_1: Q14.1 R73.1 R77.2
NetQ15_1: Q15.1 R70.1 R74.2
NetQ16_1: Q16.1 R71.1 R75.2
NetR7_2: R7.2 U3.5
NetR56_2: R56.2 U6.1
NetR57_2: R57.2 U6.7
NetR62_2: R62.2 R63.2 U6.2
NetR64_2: R64.2 R65.2 U6.6
NetR82_2: R82.2 U9.7
P3_7: LED11.2 U7.11
Red_light_L: R56.1 TP5.1 U7.6
Red_light_R: R57.1 TP6.1 U7.7
REL_V: R21.1 R22.1 R42.1 R43.1 U7.19
RST: R78.2 U7.1
S0: U7.16 U9.11
S1: U7.17 U9.10
S2: U7.18 U9.9
Signal_1: C33.2 D1.2 R19.2 TP1.1 U9.13
Signal_2: C34.2 D2.2 R20.2 TP2.1 U9.14
Signal_3: C48.2 D4.2 R39.2 TP4.1 U9.15
Signal_4: C47.2 D3.2 R38.2 TP3.1 U9.12
VBAT_5V: BT1.1 BT2.1 C16.2 PL3.2 R5.2
VBUS: C23.2 C68.1 C69.1 J1.A4 J1.A9 J1.B4 J1.B9 J2.1 R3.2 U3.1 U8.5
VBUS_5V: C17.1 C18.2 PL4.2 R6.2 SW1.2
VBUS_OUT: C13.1 C14.1 C15.1 PL4.1 U3.8
VCC: C72.1 C73.1 U9.16
X1: C70.2 R80.1 U7.5 X1.1
X2: C71.2 R80.2 U7.4 X1.2
pads on no net: J1.21 J1.22 J1.A8 J1.B8 J2.4 SW1.3 U8.4 U9.1 U9.2 U9.4 U9.5

## Silkscreen, mask and mechanical layers (free items; w line width, h text height)
Top Overlay:
  lines w10: -559,1814 -378,1699 ; -349.72,272.97 -349.72,1572.18 -349.72,2871.39 ; -349,1572.18 299.3,1572.18 299.3,929 ; 292,1572.18 295.3,1572.18 ; 3599,928.57 3599,1578.18 4280,1578.18 4280,2877.39 ; 4280.12,278.97 4280.12,1578.18
Bottom Overlay:
  lines w10: 5,927.61 792.4,927.61 792.4,3683.52 5,3683.52 5,927.61 ; 3154.61,927.61 3942.01,927.61 3942.01,3683.52 3154.61,3683.52 3154.61,927.61
Drill Guide:
  lines w10: 683.3,3631 1336.3,3631 1336.3,3924 683.3,3924 683.3,3631 ; 2725.3,3631 3378.3,3631 3378.3,3924 2725.3,3924 2725.3,3631
Mechanical 1:
  circle w10: c1970,3526 r118.11
  lines w10: 3937,3332 3938,3332 ; 0,0 3937,0 3937,3937.01 0,3937.01 0,0 ; 805.56,2180.15 884.3,2180.15 884.3,2573.85 805.56,2573.85 805.56,2180.15 ; 3066.56,2180.15 3145.3,2180.15 3145.3,2573.85 3066.56,2573.85 3066.56,2180.15
  text "M5" at 1711,3467 h18
Drill Drawing:
  circle w10: c445,3796 r80.45
  circle w10: c3498,3801 r80.45
  circle w10: c1968.5,3801 r80.45